# Altium PCB hamed-esfand403.PcbDoc
Units mm, origin at the board's own origin, x right, y up, seen from the top; angles counter-clockwise.
Board outline 151 x 86.38 mm, 2 copper layers (Top Layer, Bottom Layer); 120 components, 28 nets, 304 pads, 0 vias.
Unrouted connection lines stored in the file: 7.
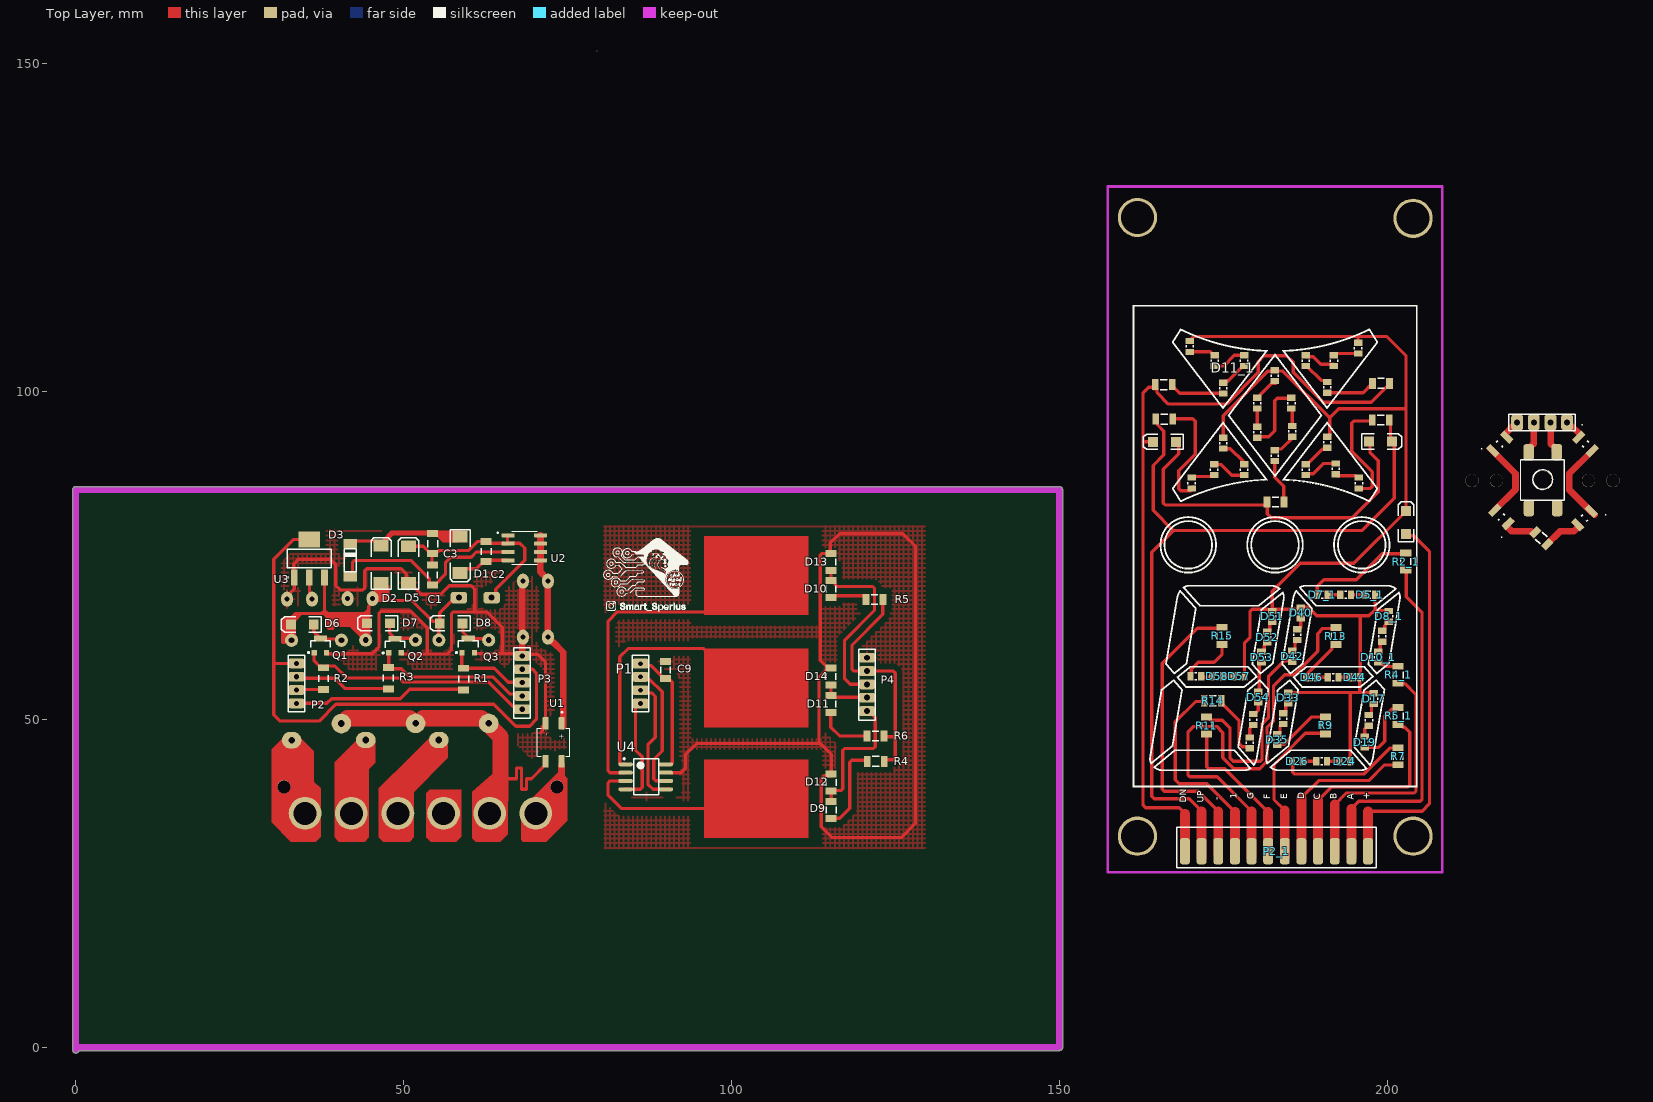
[diagram p0: Top Layer view]
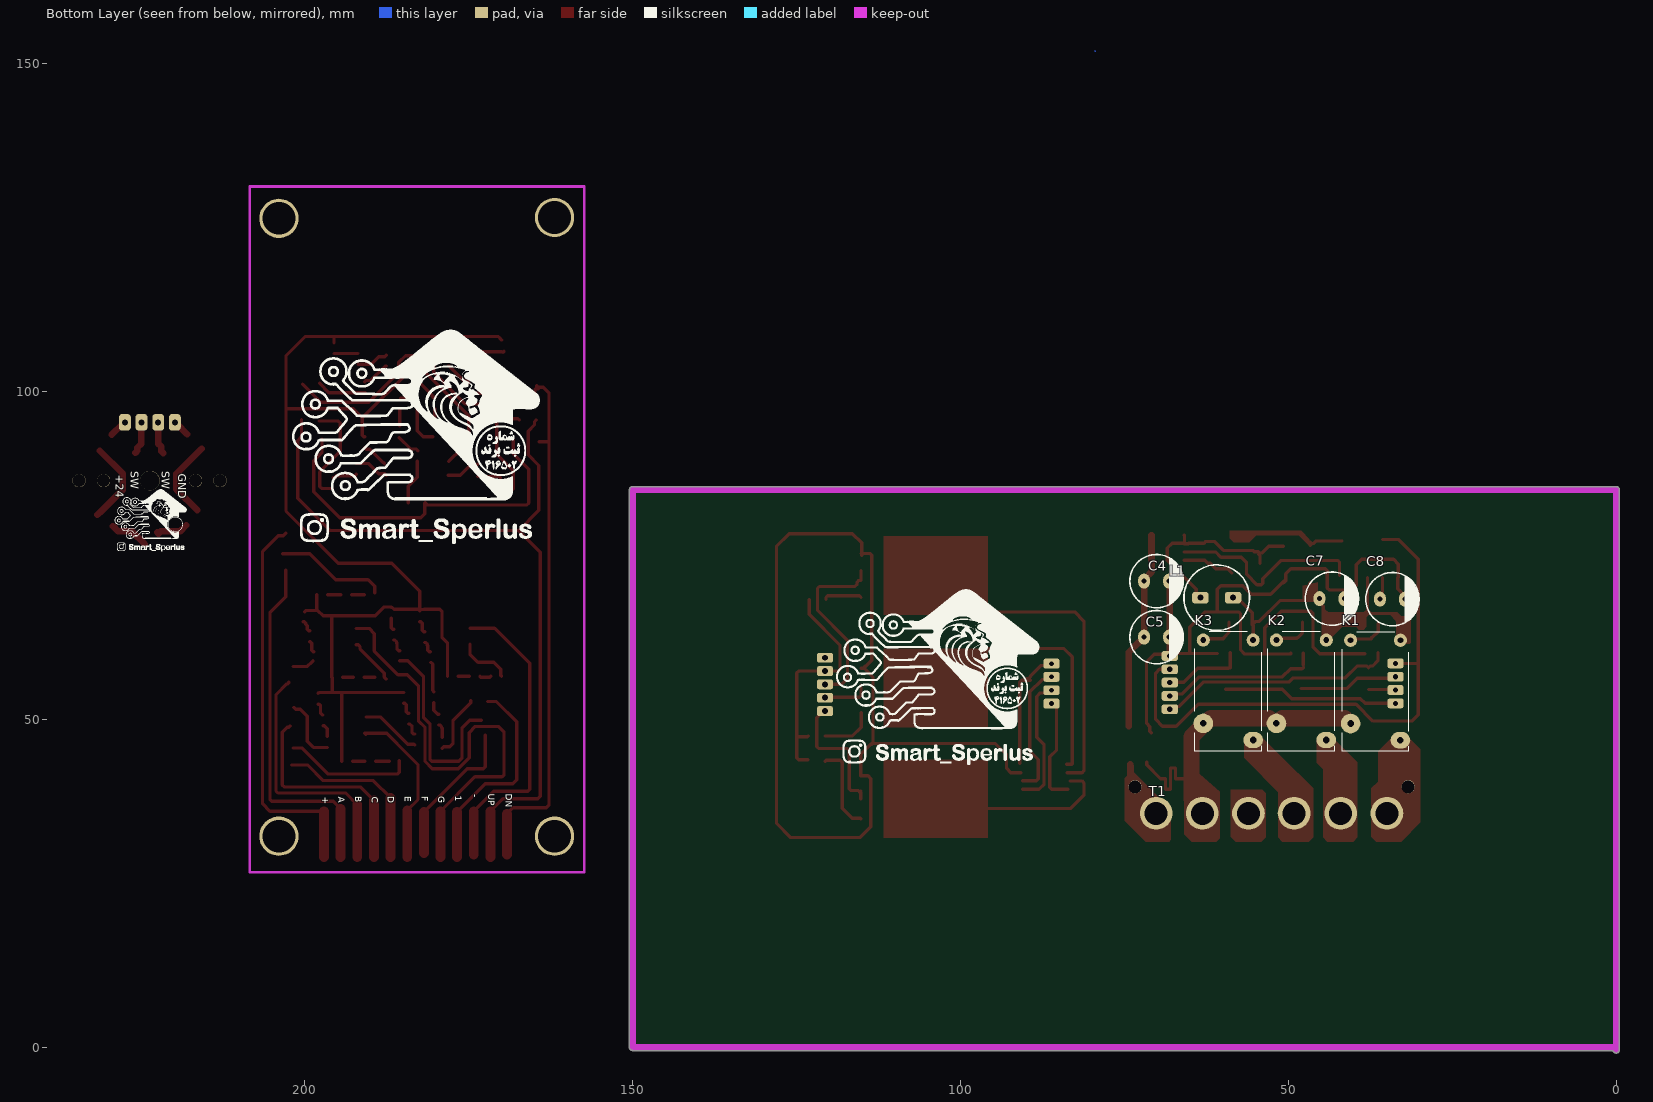
[diagram p1: Bottom Layer view, seen from below]

## Layer stack, top to bottom
Top Solder: solder mask 0.0102, Solder Resist, Dk 3.5
Top Layer: signal copper 0.0356
Dielectric 1: dielectric 0.32, FR-4, Dk 4.8
Bottom Layer: signal copper 0.0356
Bottom Solder: solder mask 0.0102, Solder Resist, Dk 3.5

## Board outline
-0.5,-0.381 -0.5,85 cw(c0,85) 0,85.5 150,85.5 cw(c150,85) 150.5,85 150.5,0 cw(c150,0) 150,-0.5 0.486,-0.5 cw(c0,-0.381)

## Design rules (kind name [scope] priority, off if disabled: settings)
Clearance Clearance_1 [InPolygon] p1: gap=0.8 ignorepadtopadclearanceinfootprint=FALSE
Clearance [All] p2: gap=0.254 ignorepadtopadclearanceinfootprint=FALSE except(0: Arc-Hole Track-Hole SMDPad-Hole THPad-Hole Via-Hole Fill-Hole Poly-Hole Region-Hole Text-Hole)
PolygonConnect [All] p1: connectstyle=Relief reliefconductorwidth=0.254 reliefentries=4 polygonreliefangle="90 Angle" airgapwidth=0.254
RoomDefinition "tach key h" [InComponentClass('tach key h')] p1: confinementstyle=ConfineIn formatcopy=TRUE lockcomponents=FALSE outline 144.907,-4.953 247.904,-4.953 247.904,23.114 144.907,23.114
RoutingLayers [All] p1: top layer_v5=FALSE bottom layer_v5=TRUE
RoutingVias [All] p1: holewidth=0.711 width=2.5 viastyle="Through Hole" minholewidth=0.711 minwidth=1.27 maxholewidth=0.711 maxwidth=2
SolderMaskExpansion [All] p1: expansion=0.102 istentingtop=FALSE
Width [All] p1: maxlimit=3 minlimit=0.5 preferedwidth=1
29 further rules are at their usual default settings.

## Classes and differential pairs
component class "tach key h": C1 C2 C3 C4 C5 C7 C8 C9 D1 D2 D3 D5 D6 D7 D8 D21 D22 D23 J5 J8 JP? K1 K2 K3 L1 P1 P2 P3 P4 P7 Q1 Q2 Q3 R1 R2 R3 R4 R5 R6 T1 U1 U2 U3 U4 U17

## Components (designator, comment, footprint, x,y, rotation, side; value= is the part's Value field where it differs from the comment)
C1 "=Value" "CAP 1206"#1 54.4,72.025 r90 top
C2 "=Value" "CAP 1206"#1 62.575,75.6 r90 top
C3 "=Value" "CAP 1206"#1 54.425,76.825 r270 top
C4 "=Value" ELEC-CAP-RAD15-30 70.1,71.1 r0 bottom
C5 "=Value" ELEC-CAP-RAD15-30 70.1,62.55 r0 bottom
C7 "=Value" ELEC-CAP-RAD15-30 43.35,68.425 r0 bottom
C8 "=Value" ELEC-CAP-RAD15-30 34.125,68.35 r0 bottom
C9 "=Value" "CAP 1206"#2 89.933,57.508 r90 top
D1 "MODEL" "RES 0805 (2012X06L)"#1 217.411,80.835 r315 top
D1 "D Schottky" SMB#1 58.625,75.131 r270 top
D2 "MODEL" "RES 0805 (2012X06L)"#2 217.157,92.011 r225 top
D2 "D Schottky" SMB#2 46.575,73.625 r90 top
D3 "MODEL" "RES 0805 (2012X06L)"#3 230.111,80.708 r45 top
D3 "Zener Diode" DO-35 41.85,71.77 r90 top
D4 "MODEL" "RES 0805 (2012X06L)"#4 230.238,92.011 r135 top
D5 "D Schottky" SMB#1 50.725,73.625 r90 top
D5_1 "MODEL" "RES 0805 (2012X06L)"#5 197.345,69.024 r180 top (schematic designator D5)
D6 "MODEL" "RES 0805 (2012X06L)"#5 193.662,69.024 r180 top
D6 "D Tunnel1" 3.2X1.6X1.1 34.55,64.475 r180 top
D7 "D Tunnel1" 3.2X1.6X1.1 46.175,64.675 r180 top
D7_1 "MODEL" "RES 0805 (2012X06L)"#5 190.106,69.024 r180 top (schematic designator D7)
D8 "D Tunnel1" 3.2X1.6X1.1 57.25,64.65 r180 top
D8_1 "MODEL" "RES 0805 (2012X06L)"#5 200.266,65.722 r270 top (schematic designator D8)
D9 "MODEL" "RES 0805 (2012X06L)"#5 199.25,62.674 r270 top
D9 "MODEL" "RES 1206 (3216X08L)"#1 115.2,36.2 r90 top
D10 "MODEL" "RES 1206 (3216X08L)"#1 115.175,69.9 r90 top
D10_1 "MODEL" "RES 0805 (2012X06L)"#5 198.615,59.499 r270 top (schematic designator D10)
D11 "MODEL" "RES 1206 (3216X08L)"#1 115.15,52.35 r90 top
D11_1 "MODEL" "RES 0805 (2012X06L)"#5 174.993,100.52 r270 top (schematic designator D11)
D12 "MODEL" "RES 0805 (2012X06L)"#5 178.168,104.711 r270 top
D12 "MODEL" "RES 1206 (3216X08L)"#1 115.2,40.375 r90 top
D13 "MODEL" "RES 0805 (2012X06L)"#5 173.723,104.711 r270 top
D13 "MODEL" "RES 1206 (3216X08L)"#1 115.15,74.025 r90 top
D14 "MODEL" "RES 0805 (2012X06L)"#5 169.913,106.87 r270 top
D14 "MODEL" "RES 1206 (3216X08L)"#1 115.175,56.525 r90 top
D15 "D Tunnel1" 3.2X1.6X1.1 202.87,80.033 r90 top
D16 "D Tunnel1" 3.2X1.6X1.1 166.02,92.333 r180 top
D17 "MODEL" "RES 0805 (2012X06L)"#5 197.98,53.149 r270 top
D18 "MODEL" "RES 0805 (2012X06L)"#5 197.218,49.847 r270 top
D19 "MODEL" "RES 0805 (2012X06L)"#5 196.583,46.545 r270 top
D20 "MODEL" "RES 0805 (2012X06L)"#5 190.868,100.647 r270 top
D21 "MODEL" "RES 0805 (2012X06L)"#5 187.566,104.711 r270 top
D22 "MODEL" "RES 0805 (2012X06L)"#5 191.884,104.711 r270 top
D23 "MODEL" "RES 0805 (2012X06L)"#5 195.567,106.616 r270 top
D24 "MODEL" "RES 0805 (2012X06L)"#5 193.535,43.624 r180 top
D25 "MODEL" "RES 0805 (2012X06L)"#5 189.979,43.624 r180 top
D26 "MODEL" "RES 0805 (2012X06L)"#5 186.296,43.624 r180 top
D27 "MODEL" "RES 0805 (2012X06L)"#5 182.867,90.233 r270 top
D28 "MODEL" "RES 0805 (2012X06L)"#5 185.534,93.916 r270 top
D29 "MODEL" "RES 0805 (2012X06L)"#5 185.407,98.234 r270 top
D30 "MODEL" "RES 0805 (2012X06L)"#5 180.2,93.789 r270 top
D31 "MODEL" "RES 0805 (2012X06L)"#5 180.2,98.234 r270 top
D32 "MODEL" "RES 0805 (2012X06L)"#5 182.867,102.425 r270 top
D33 "MODEL" "RES 0805 (2012X06L)"#5 184.899,53.276 r270 top
D34 "MODEL" "RES 0805 (2012X06L)"#5 184.137,50.101 r270 top
D35 "MODEL" "RES 0805 (2012X06L)"#5 183.248,46.926 r270 top
D36 "MODEL" "RES 0805 (2012X06L)"#5 170.167,86.042 r270 top
D37 "MODEL" "RES 0805 (2012X06L)"#5 173.596,88.074 r270 top
D38 "MODEL" "RES 0805 (2012X06L)"#5 178.168,88.074 r270 top
D39 "MODEL" "RES 0805 (2012X06L)"#5 174.993,92.138 r270 top
D40 "MODEL" "RES 0805 (2012X06L)"#5 186.804,66.23 r270 top
D41 "MODEL" "RES 0805 (2012X06L)"#5 186.296,62.928 r270 top
D42 "MODEL" "RES 0805 (2012X06L)"#5 185.534,59.626 r270 top
D43 "D Tunnel1" 3.2X1.6X1.1 198.996,92.392 r0 top
D44 "MODEL" "RES 0805 (2012X06L)"#5 195.059,56.451 r180 top
D45 "MODEL" "RES 0805 (2012X06L)"#5 191.757,56.451 r180 top
D46 "MODEL" "RES 0805 (2012X06L)"#5 188.455,56.451 r180 top
D47 "MODEL" "RES 0805 (2012X06L)"#5 195.694,86.042 r270 top
D48 "MODEL" "RES 0805 (2012X06L)"#5 192.138,88.201 r270 top
D49 "MODEL" "RES 0805 (2012X06L)"#5 187.566,88.074 r270 top
D50 "MODEL" "RES 0805 (2012X06L)"#5 190.868,92.265 r270 top
D51 "MODEL" "RES 0805 (2012X06L)"#5 182.486,65.722 r270 top
D52 "MODEL" "RES 0805 (2012X06L)"#5 181.724,62.547 r270 top
D53 "MODEL" "RES 0805 (2012X06L)"#5 180.835,59.499 r270 top
D54 "MODEL" "RES 0805 (2012X06L)"#5 180.327,53.403 r270 top
D55 "MODEL" "RES 0805 (2012X06L)"#5 179.565,49.974 r270 top
D56 "MODEL" "RES 0805 (2012X06L)"#5 179.057,46.418 r270 top
D57 "MODEL" "RES 0805 (2012X06L)"#5 177.406,56.578 r180 top
D58 "MODEL" "RES 0805 (2012X06L)"#5 174.104,56.578 r180 top
D59 "MODEL" "RES 0805 (2012X06L)"#5 170.802,56.578 r180 top
K1 "2071508-1" RELAY_2071508-1 36.703,54.229 r270 bottom
K2 "2071508-1" RELAY_2071508-1 48.016,54.253 r270 bottom
K3 "2071508-1" RELAY_2071508-1 59.172,54.253 r270 bottom
L1 "1mH" HS1101 60.925,68.575 r0 bottom
P1 "Header 4" HDR1X4#1 219.824,95.313 r0 top
P1 "Header 4" HDR1X4#2 86.123,51.666 r90 top
P2 "Header 4" HDR1X4#3 33.655,51.689 r90 top
P2_1 "Header 12" HDR1X12 197.091,29.908 r180 top (schematic designator P2)
P3 "Header 5" HDR1X5#1 68.072,50.546 r90 top
P4 "Header 5" HDR1X5#2 120.667,50.269 r90 top
Q1 "QNPN" SOT-23B_L 37.3,61.275 r90 top
Q2 "QNPN" SOT-23B_L 48.675,61.225 r90 top
Q3 "QNPN" SOT-23B_L 59.85,61.275 r90 top
R1 "10K" "RES 1206 (3216X08L)"#1 223.507,77.66 r135 top
R1 "10K" "RES 1206 (3216X08L)"#2 59.15,56.151 r270 top
R2 "10K" "RES 1206 (3216X08L)"#2 37.775,56.226 r270 top
R2_1 "10K" "RES 1206 (3216X08L)"#1 202.845,74.083 r90 top (schematic designator R2)
R3 "10K" "RES 1206 (3216X08L)"#1 165.92,101.058 r0 top
R3 "10K" "RES 1206 (3216X08L)"#2 47.675,56.3 r270 top
R4 "10K" "RES 1206 (3216X08L)"#1 122,43.6 r0 top
R4_1 "10K" "RES 1206 (3216X08L)"#1 201.67,56.808 r90 top (schematic designator R4)
R5 "10K" "RES 1206 (3216X08L)"#1 121.81,68.303 r0 top
R5_1 "10K" "RES 1206 (3216X08L)"#1 201.67,50.533 r90 top (schematic designator R5)
R6 "10K" "RES 1206 (3216X08L)"#1 199.045,101.258 r180 top
R6 "10K" "RES 1206 (3216X08L)"#1 121.937,47.475 r0 top
R7 "10K" "RES 1206 (3216X08L)"#1 201.663,44.386 r90 top
R8 "10K" "RES 1206 (3216X08L)"#1 182.945,83.158 r0 top
R9 "10K" "RES 1206 (3216X08L)"#1 190.614,49.085 r90 top
R10 "10K" "RES 1206 (3216X08L)"#1 165.995,95.808 r0 top
R11 "10K" "RES 1206 (3216X08L)"#1 172.47,49.057 r90 top
R12 "10K" "RES 1206 (3216X08L)"#1 199.02,95.683 r180 top
R13 "10K" "RES 1206 (3216X08L)"#1 192.195,62.708 r270 top
R14 "10K" "RES 1206 (3216X08L)"#1 173.395,52.858 r0 top
R15 "10K" "RES 1206 (3216X08L)"#1 174.82,62.758 r270 top
S1 "PUSH BUTTON DOUBLE" "PUSH BUTTON" 223.669,86.556 r90 top
T1 "Phoenix terminal" "phoenix terminal 6" 69.016,24.004 r180 bottom
U1 "MB6S" SOIC245P670X270-4N 72.875,46.525 r270 top
U2 "HT7A6312" SOIC127P599X175-8N 68.4,76.175 r0 top
U3 "LM1117MP-3.3" MP04A_N 35.625,74.55 r90 top
U4 "ATtiny15L-1SC" 8S2_N 87.025,41.25 r0 top

## Footprints (in the part's own frame and the unit in brackets; to place one, negate y for a bottom-side part, rotate by r counter-clockwise, add the part's x,y. Pads: shape width x height; smd on the part's side, far side on the other; paste and mask are expansions set on the pad)
3.2X1.6X1.1 [mm] "SMT LED; 2 Flat Leads"
  rect 1.5x1.5 smd: 1(-1.75,0) 2(1.75,0)
  silkscreen extent -2.9,-1.15 3.2,1.15
8S2_N [mm] "SOP, 8-Leads, Body 5.3x5.3mm, Pitch 1.27mm, IPC Medium Density"
  oval 2.2x0.6 smd: 1(-3.175,1.905) 2(-3.175,0.635) 3(-3.175,-0.635) 4(-3.175,-1.905) 5(2.975,-1.905) 6(2.975,-0.635) 7(2.975,0.635) 8(2.975,1.905)
  silkscreen extent -3.52,-2.75 1.9,2.88, body extent -2.73,-2.75 2.73,2.75, height 2.16
"CAP 1206"#1 [mm]
  rect 1.05x1.7 smd: 1(-1.524,0) 2(1.524,0)
  silkscreen extent -0.47,-0.75 0.53,0.75, body extent -1.49,-0.77 1.55,0.75, height 0.75
"CAP 1206"#2 [mm]
  rect 1.05x1.7 smd: 1(-1.27,0) 2(1.326,0)
  silkscreen extent -0.47,-0.75 0.53,0.75, body extent -1.49,-0.77 1.55,0.75, height 0.75
DO-35 [mm]
  rect 1.397x2 smd: 1(0,0) 2(5.08,0)
  silkscreen extent 0.76,-0.93 4.27,0.87, body extent -0.17,-0.81 5.35,0.84, height 1.81
ELEC-CAP-RAD15-30 [mil]
  oval 70x90 hole 30: 1(-75,0) 2(75,0)
  silkscreen extent -160,-160 160,160, body extent -167,-167 167,167, height 609
HDR1X4#1 [mm] "Connector; Header; 4 Position"
  rrect50% 1.8x2.5 hole 0.9: 1(0,0) 2(2.54,0) 3(5.08,0) 4(7.62,0)
  silkscreen extent -1.27,-1.27 8.89,1.27
HDR1X4#2 [mm] "Connector; Header; 4 Position"
  rrect50% 1.5x2.5 hole 0.7: 1(0.762,0) 2(2.794,0) 3(4.826,0) 4(6.858,0)
  silkscreen extent -0.51,-1.27 8.13,1.27
HDR1X4#3 [mm] "Connector; Header; 4 Position"
  rrect50% 1.5x2.5 hole 0.8: 1(0.762,0) 2(2.794,0) 3(4.826,0) 4(6.858,0)
  silkscreen extent -0.51,-1.27 8.13,1.27
HDR1X5#1 [mm] "Connector; Header; 5 Position"
  rrect50% 1.5x2.5 hole 0.8: 1(1.016,0) 2(3.048,0) 3(5.08,0) 4(7.112,0) 5(9.144,0)
  silkscreen extent -0.38,-1.27 10.41,1.27
HDR1X5#2 [mm] "Connector; Header; 5 Position"
  rrect50% 1.5x2.5 hole 0.9: 1(1.016,0) 2(3.048,0) 3(5.08,0) 4(7.112,0) 5(9.144,0)
  silkscreen extent -0.38,-1.27 10.41,1.27
HDR1X12 [mm] "Connector; Header; 12 Position"
  rrect50% 1.5x4 smd: 1(0,0) 2(2.54,0) 3(5.08,0) 4(7.62,0) 5(10.16,0) 6(12.7,0) 7(15.24,0) 8(17.78,0) 9(20.32,0) 10(22.86,0) 11(25.4,0) 12(27.94,0)
  silkscreen extent -1.27,-3.68 29.21,2.54
HS1101 [mm] "HUMIDITY SENSOR"
  rrect50% 2.5x1.8 hole 0.9: 1(2.5,0) 2(-2.5,0)
  silkscreen extent -5,-5 5,5
MP04A_N [mm] "SOT223, 4-Leads, Body 6.5x3.5mm, Pitch 2.3mm, Lead Span 7mm, IPC Medium Density"
  rect 2.4x1 smd: 1(-2.9,2.3) 2(-2.9,0) 3(-2.9,-2.3)
  rect 2.4x3.3 smd: 4(2.9,0)
  silkscreen extent -3.02,-3.35 1.4,3.47, body extent -1.85,-3.35 1.85,3.35, height 1.8
"phoenix terminal 6" [mm] "6 terminals"
  round 5 hole 3.5: 1(-1.143,11.684) 2(5.897,11.684) 3(12.937,11.684) 4(19.897,11.684) 5(26.997,11.684) 6(34.057,11.684)
"PUSH BUTTON" [mm]
  rrect50% 2.5x1.6 smd: 1(-4.325,2.05) 2(4.175,2.1) 3(-4.325,-2.25) 4(4.225,-2.175)
  silkscreen extent -3.13,-3.3 3.08,3.3, body extent -3.93,-3.08 3.99,3.12, height 5.21
RELAY_2071508-1 [mm]
  round 2 hole 0.9: 1(-7.85,3.8) 2(-7.85,-3.8)
  oval 2.5x3 hole 1: 3(7.39,3.8)
  round 3 hole 1: 4(4.85,-3.8)
  silkscreen extent -9.1,-5.1 9.1,5.1
"RES 0805 (2012X06L)"#1 [mm] "Chip Resistor, 2-Leads, Body 2.0x1.3mm, IPC High Density _ (0.100 W)"
  rect 0.95x2 smd: 1(-1.475,0.025) 2(1.4,0.05)
  silkscreen extent -0.16,-0.55 0.14,0.55, body extent -1.03,-0.63 1,0.64, height 0.6
"RES 0805 (2012X06L)"#2 [mm] "Chip Resistor, 2-Leads, Body 2.0x1.3mm, IPC High Density _ (0.100 W)"
  rect 0.95x2 smd: 1(-1.5,0) 2(1.475,0)
  silkscreen extent -0.16,-0.55 0.14,0.55, body extent -1.03,-0.63 1,0.64, height 0.6
"RES 0805 (2012X06L)"#3 [mm] "Chip Resistor, 2-Leads, Body 2.0x1.3mm, IPC High Density _ (0.100 W)"
  rect 0.95x2 smd: 1(-1.475,0.05) 2(1.45,0.025)
  silkscreen extent -0.16,-0.55 0.14,0.55, body extent -1.03,-0.63 1,0.64, height 0.6
"RES 0805 (2012X06L)"#4 [mm] "Chip Resistor, 2-Leads, Body 2.0x1.3mm, IPC High Density _ (0.100 W)"
  rect 0.95x2 smd: 1(-1.45,0) 2(1.475,0)
  silkscreen extent -0.16,-0.55 0.14,0.55, body extent -1.03,-0.63 1,0.64, height 0.6
"RES 0805 (2012X06L)"#5 [mm] "Chip Resistor, 2-Leads, Body 2.0x1.3mm, IPC High Density _ (0.100 W)"
  rect 0.95x1.3 smd: 1(-0.838,0) 2(0.812,0)
  silkscreen extent -0.16,-0.55 0.14,0.55, body extent -1.03,-0.63 1,0.64, height 0.6
"RES 1206 (3216X08L)"#1 [mm] "Chip Resistor, 2-Leads, Body 3.2x1.6mm, IPC High Density _ (0.125 W)"
  rect 1.05x1.7 smd: 1(-1.295,0) 2(1.301,0)
  silkscreen extent -0.5,-0.75 0.5,0.75, body extent -1.52,-0.76 1.53,0.76, height 0.6
"RES 1206 (3216X08L)"#2 [mm] "Chip Resistor, 2-Leads, Body 3.2x1.6mm, IPC High Density _ (0.125 W)"
  rect 1.05x1.7 smd: 1(-1.651,0) 2(1.651,0)
  silkscreen extent -0.5,-0.75 0.5,0.75, body extent -1.52,-0.76 1.53,0.76, height 0.6
SMB#1 [mm] "DO-214-AA/SMB; 2 C-Bend Leads; Body 5.3 x 3.6 mm, inc. leads (LxW)"
  rect 1.8x2.3 smd: 1(-2.794,0) 2(2.794,0)
  silkscreen extent -3.8,-1.55 4.1,1.55
SMB#2 [mm] "DO-214-AA/SMB; 2 C-Bend Leads; Body 5.3 x 3.6 mm, inc. leads (LxW)"
  rect 1.8x2.3 smd: 1(-2.794,0) 2(2.921,0)
  silkscreen extent -3.8,-1.55 4.1,1.55
SOIC127P599X175-8N [mm]
  rrect25% 1.97x0.6 smd: 1(-2.47,1.905) 2(-2.47,0.635) 3(-2.47,-0.635) 4(-2.47,-1.905) 5(2.47,-1.905) 6(2.47,-0.635) 7(2.47,0.635) 8(2.47,1.905)
  silkscreen extent -4.14,-2.52 1.95,2.52
SOIC245P670X270-4N [mm]
  rrect23% 1.91x0.91 smd: 1(-2.9,1.225) 2(-2.9,-1.225) 3(2.9,-1.225) 4(2.9,1.225)
  silkscreen extent -4.68,-2.48 2.1,2.48
SOT-23B_L [mm] "SOT23, 3-Leads, Body 2.9x1.3mm, Pitch 0.95mm, Lead Span 2.4mm, IPC High Density"
  rect 0.85x0.8 smd: 1(-1.075,0.95) 2(-1.075,-0.95)
  rect 0.85x2 smd: 3(1.075,0)
  silkscreen extent -1.2,-1.5 0.7,1.92, body extent -0.7,-1.5 0.7,1.5, height 1.14

## Part data
C1 C2 C3 C9: library part Capacitor, "Capacitor"
C4 C5 C7 C8: library part "Capacitor Electrolytic", "Electrolytic Capacitor"
D1 D2 D3 D4 D5_1 D6 D7_1 D8_1 D9 D9 D10 D10_1 D11 D11_1 D12 D12 D13 D13 D14 D14 D17 D18 D19 D20 D21 D22 D23 D24 D25 D26 D27 D28 D29 D30 D31 D32 D33 D34 D35 D36 D37 D38 D39 D40 D41 D42 D44 D45 D46 D47 D48 D49 D50 D51 D52 D53 D54 D55 D56 D57 D58 D59: library part "LED 5mm", "Typical LED", COLOR=RED
D1 D2 D5: "Schottky Diode", Code_JEDEC=DO-214-AA, LatestRevisionDate=17-Jul-2002, LatestRevisionNote="Re-released for DXP Platform.", PackageDescription="DO-214-AA/SMB; 2 C-Bend Leads; Body 5.3 x 3.6 mm, inc. leads (LxW)", PackageReference=SMB, Published=8-Jun-2000, Publisher="Altium Limited"
D6 D7 D8 D15 D16 D43: "Tunnel Diode - RLC Model", LatestRevisionDate=17-Jul-2002, LatestRevisionNote="Re-released for DXP Platform.", PackageDescription="SM LED; 2 Flat Leads", PackageReference=3.2X1.6X1.1, PackageVersion=Feb-2002, Published=8-Jun-2000, Publisher="Altium Limited"
K1 K2 K3: "Power Relay 5VDC 10A SPST-NO(18.2mm 10.2mm 15.2mm) THT", Package=Package, Availability=Unavailable, MF="TE Connectivity", MP=2071508-1, Price=None, SnapEDA_Link=https://www.snapeda.com/parts/2071508-1/TE%20Connectivity/view-part/4717165/?ref=snap
L1: library part Inductor, "Inductor", Code_IEC=1005, Code_JEITA=0402, LatestRevisionDate=17-Jul-2002, LatestRevisionNote="Re-released for DXP Platform.", PackageReference=0402-A, Published=8-Jun-2000, Publisher="Altium Limited"
P1 P1 P2: "Header, 4-Pin", LatestRevisionDate=17-Jul-2002, LatestRevisionNote="Re-released for DXP Platform.", Publisher="Altium Limited"
P2_1: "Header, 12-Pin", LatestRevisionDate=17-Jul-2002, LatestRevisionNote="Re-released for DXP Platform.", Publisher="Altium Limited"
P3 P4: "Header, 5-Pin", LatestRevisionDate=17-Jul-2002, LatestRevisionNote="Re-released for DXP Platform.", Publisher="Altium Limited"
Q1 Q2 Q3: "NPN Bipolar Transistor", LatestRevisionDate=29-May-2009, LatestRevisionNote="IPC-7351 Footprint Added.", PackageDescription="3-Pin SOT-23 Package 0.95 mm Pitch, 2.4 mm Lead Span", PackageReference=SOT-23B, PackageVersion=Aug-1999, Published=8-Jun-2000, Publisher="Altium Limited"
R1 R1 R2 R2_1 R3 R3 R4 R4_1 R5 R5_1 R6 R6 R7 R8 R9 R10 R11 R12 R13 R14 R15: library part Resistor, "Resistor", Power="1/4 W", Tolerance=5%
S1: "Switch"
T1: library part "Phoenix terminal 6", "Terminal 6 Pin", ComponentLinkURL=www.picpars.com, Designer="Seyed Mohsen Ghasemain", E-mail=picpars@gmail.com
U1: "Bridge Rectifier Single Phase Standard 600V Surface Mount 4-SOIC", Package="BESOP-4 Surge Components", Digi-Key_Part_Number=MB6SCT-ND, Digi-Key_Purchase_URL=https://www.digikey.com.tr/product-detail/en/on-semiconductor/MB6S/MB6SCT-ND/965654?utm_source=snapeda&utm_medium=aggregator&utm_campaign=symbol, MF="ON Semiconductor", MP=MB6S, SnapEDA_Link=https://www.snapeda.com/parts/MB6S/ON%20Semiconductor/view-part/2774209/?ref=snap
U2: library part Component_1
U3: "800mA Low-Dropout Linear Regulator", DigiKeyPartNumber=LM1117MP-3.3CT-ND, Manufacturer="National Semiconductor", PackageTopMarking=XYTT*N05A, PowerWise=N, Code_IPC=SOT223-4, Code_JEDEC=TO-261-AA, ComponentLink1Description="LM1117 Datasheet", ComponentLink1URL=http://www.national.com/ds/LM/LM1117.pdf, ComponentLink2Description="LM1117 Web Page", ComponentLink2URL=http://www.national.com/pf/LM/LM1117.html, ComponentLink3Description="MP04A Package Page", ComponentLink3URL=http://www.national.com/packaging/folders/mp04a.html, CompType="LDO IC", DatasheetVersion=Apr-2006, PackageDescription="Molded SOT-223, 6.50 x 3.56 x 1.6mm Body, 4 Lead, 2.3mm Pitch", PackageReference=MP04A, PackageVersion="revB, Apr-2003", PartNumber=LM1117MP-3.3, PinCount=4, Published=4-Dec-2008, Publisher="Altium Limited", RoHS=O